# KiCad board merisi_ob.kicad_pcb (continued)
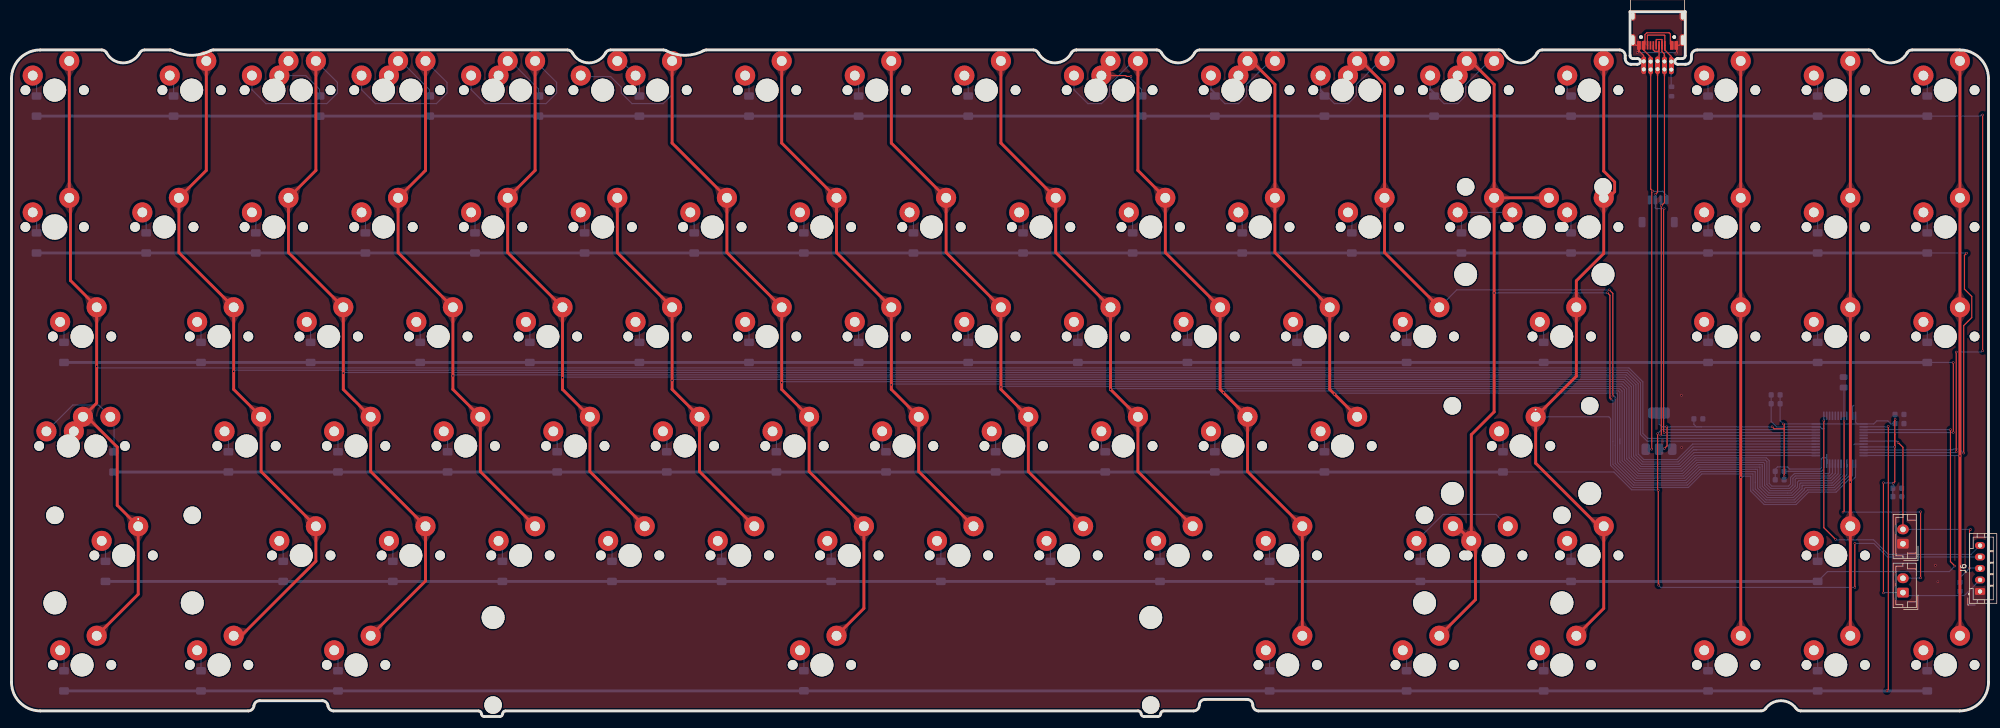
[diagram p0: board, top side]
## Footprints (pads in the part's own frame, mm; a bottom-side part is the same pattern mirrored in y, then rotated) (continued)
  rrect 1.025x1.4 smd: 1(-0.912,0) 2(0.912,0)
SOT-223-3_TabPin2
  rrect 2x1.5 smd: 1(-3.15,2.3) 2(-3.15,0) 3(-3.15,-2.3)
  rrect 2x3.8 smd: 2(3.15,0)
USB_C_Receptacle_HRO_TYPE-C-31-M-12
  round 0.65 hole 0.65 unplated: (-2.89,2.6) (2.89,2.6)
  rect 0.3x1.45 smd: (-1.75,4.045) A5(-1.25,4.045) A6(-0.25,4.045) A7(0.25,4.045) A8(1.25,4.045) B5(1.75,4.045) B6(0.75,4.045) B7(-0.75,4.045)
  rect 0.6x1.45 smd: A1(-3.25,4.045) A4(-2.45,4.045) A9(2.45,4.045) A12(3.25,4.045) B1(3.25,4.045) B4(2.45,4.045) B9(-2.45,4.045) B12(-3.25,4.045)
  oval 1x2.1 hole 0.6x1.7: S1(-4.32,3.13) S1(4.32,3.13)
  oval 1x1.6 hole 0.6x1.2: S1(-4.32,-1.05) S1(4.32,-1.05)

## Nets
+3.3V: C2.2 C3.2 C4.2 C5.2 C6.2 C7.2 C8.2 C9.2 C10.2 J6.2 SWbôt1.1 U2.2 U3.1 U3.9 U3.24 U3.36 U3.48
+5V: J3.A4 J3.A9 J3.B4 J3.B9 J5.1 REF**#5.2 U2.3
GND: C1.2 C2.1 C3.1 C4.1 C5.1 C6.1 C7.1 C8.1 C9.1 C10.1 J3.A1 J3.A12 J3.B1 J3.B12 J3.S1 J5.4 J6.1 R1.2 R8.2 REF**#2.2 SWbôtrst1.1 U2.1 U3.8 U3.23 U3.35 U3.47
boot: R1.1 SWbôt1.2 U3.44
C0: SW1.2 SW19.2 SW24.2 SW49.1 SW65.2 SW77.2 SW1002.2 U3.31
C1: SW2.2 SW20.2 SW37.2 SW54.2 SW66.2 SW78.2 U3.30
C2: SW3.2 SW21.2 SW38.2 SW55.2 SW68.2 SW81.2 SW2001.1 U3.29
C3: SW4.2 SW22.2 SW39.2 SW56.2 SW69.2 SW2002.1 U3.28
C4: SW5.2 SW23.2 SW40.2 SW57.2 SW70.2 SW2003.1 U3.27
C5: SW6.2 SW41.2 SW58.2 SW71.2 U3.26
C6: SW7.2 SW25.2 SW42.2 SW59.2 SW72.2 SW86.2 SW2004.1 U3.25
C7: SW8.2 SW26.2 SW43.2 SW60.2 SW73.2 U3.22
C8: SW9.2 SW27.2 SW44.2 SW61.2 SW74.2 U3.21
C9: SW10.2 SW28.2 SW45.2 SW62.2 SW75.2 U3.20
C10: SW11.2 SW29.2 SW46.2 SW63.2 SW76.2 SW90.2 SW2008.1 U3.19
C11: SW12.2 SW30.2 SW47.2 SW64.2 SW2009.1 U3.18
C12: SW13.2 SW31.2 SW48.2 SW2010.1 U3.17
C13: SW14.2 SW32.2 SW79.2 SW93.2 SW1000.1 SW1001.2 SW2011.1 U3.16
C14: SW15.2 SW33.2 SW50.2 SW67.2 SW80.2 SW94.2 U3.15
C15: SW16.2 SW34.2 SW51.2 SW95.2 U3.14
C16: SW17.2 SW35.2 SW52.2 SW82.2 SW96.2 U3.13
C17: SW18.2 SW36.2 SW53.2 SW97.2 U3.12
CLK: J6.5 U3.37
D+: J3.A6 J3.B6 J5.3 REF**#3.2 REF**#3.B6 U3.33
D-: J3.A7 J3.B7 J5.2 REF**.2 U3.32
DIO: D49.1 D54.1 D55.1 D56.1 D57.1 D58.1 D59.1 D60.1 D61.1 D62.1 D63.1 D64.1 D67.1 J6.4 U3.34
R0: D19.1 D20.1 D21.1 D22.1 D23.1 D25.1 D26.1 D27.1 D28.1 D29.1 D30.1 D31.1 D32.1 D33.1 D34.1 D35.1 D36.1 U3.11
R1: D1.1 D2.1 D3.1 D4.1 D5.1 D6.1 D7.1 D8.1 D9.1 D10.1 D11.1 D12.1 D13.1 D14.1 D15.1 D16.1 D17.1 D18.1 U3.10
R2: D24.1 D37.1 D38.1 D39.1 D40.1 D41.1 D42.1 D43.1 D44.1 D45.1 D46.1 D47.1 D48.1 D50.1 D51.1 D52.1 D53.1 U3.4
R4: D65.1 D66.1 D68.1 D69.1 D70.1 D71.1 D72.1 D73.1 D74.1 D75.1 D76.1 D79.1 D80.1 D82.1 U3.3
R5: D77.1 D78.1 D81.1 D86.1 D90.1 D93.1 D94.1 D95.1 D96.1 D97.1 U3.2
RST: C1.1 J6.3 SWbôtrst1.2 U3.7
Net-(D1-A): D1.2 SW1.1
Net-(D2-A): D2.2 SW2.1
Net-(D3-A): D3.2 SW3.1
Net-(D4-A): D4.2 SW4.1
Net-(D5-A): D5.2 SW5.1
Net-(D6-A): D6.2 SW6.1
Net-(D7-A): D7.2 SW7.1
Net-(D8-A): D8.2 SW8.1
Net-(D9-A): D9.2 SW9.1
Net-(D10-A): D10.2 SW10.1
Net-(D11-A): D11.2 SW11.1
Net-(D12-A): D12.2 SW12.1
Net-(D13-A): D13.2 SW13.1
Net-(D14-A): D14.2 SW14.1 SW1001.1
Net-(D15-A): D15.2 SW15.1
Net-(D16-A): D16.2 SW16.1
Net-(D17-A): D17.2 SW17.1
Net-(D18-A): D18.2 SW18.1
Net-(D19-A): D19.2 SW19.1
Net-(D20-A): D20.2 SW20.1
Net-(D21-A): D21.2 SW21.1 SW2001.2
Net-(D22-A): D22.2 SW22.1 SW2002.2
Net-(D23-A): D23.2 SW23.1 SW2003.2
Net-(D24-A): D24.2 SW24.1
Net-(D25-A): D25.2 SW25.1 SW2004.2
Net-(D26-A): D26.2 SW26.1
Net-(D27-A): D27.2 SW27.1
Net-(D28-A): D28.2 SW28.1
Net-(D29-A): D29.2 SW29.1 SW2008.2
Net-(D30-A): D30.2 SW30.1 SW2009.2
Net-(D31-A): D31.2 SW31.1 SW2010.2
Net-(D32-A): D32.2 SW32.1 SW2011.2
Net-(D33-A): D33.2 SW33.1
Net-(D34-A): D34.2 SW34.1
Net-(D35-A): D35.2 SW35.1
Net-(D36-A): D36.2 SW36.1
Net-(D37-A): D37.2 SW37.1
Net-(D38-A): D38.2 SW38.1
Net-(D39-A): D39.2 SW39.1
Net-(D40-A): D40.2 SW40.1
Net-(D41-A): D41.2 SW41.1
Net-(D42-A): D42.2 SW42.1
Net-(D43-A): D43.2 SW43.1
Net-(D44-A): D44.2 SW44.1
Net-(D45-A): D45.2 SW45.1
Net-(D46-A): D46.2 SW46.1
Net-(D47-A): D47.2 SW47.1
Net-(D48-A): D48.2 SW48.1
Net-(D49-A): D49.2 SW49.2 SW1002.1
Net-(D50-A): D50.2 SW50.1
Net-(D51-A): D51.2 SW51.1
Net-(D52-A): D52.2 SW52.1
Net-(D53-A): D53.2 SW53.1
Net-(D54-A): D54.2 SW54.1
Net-(D55-A): D55.2 SW55.1
Net-(D56-A): D56.2 SW56.1
Net-(D57-A): D57.2 SW57.1
Net-(D58-A): D58.2 SW58.1
Net-(D59-A): D59.2 SW59.1
Net-(D60-A): D60.2 SW60.1
Net-(D61-A): D61.2 SW61.1
Net-(D62-A): D62.2 SW62.1
Net-(D63-A): D63.2 SW63.1
Net-(D64-A): D64.2 SW64.1
Net-(D65-A): D65.2 SW65.1
Net-(D66-A): D66.2 SW66.1
Net-(D67-A): D67.2 SW67.1
Net-(D68-A): D68.2 SW68.1
Net-(D69-A): D69.2 SW69.1
Net-(D70-A): D70.2 SW70.1
Net-(D71-A): D71.2 SW71.1
Net-(D72-A): D72.2 SW72.1
Net-(D73-A): D73.2 SW73.1
Net-(D74-A): D74.2 SW74.1
Net-(D75-A): D75.2 SW75.1
Net-(D76-A): D76.2 SW76.1
Net-(D77-A): D77.2 SW77.1
Net-(D78-A): D78.2 SW78.1
Net-(D79-A): D79.2 SW79.1 SW1000.2
Net-(D80-A): D80.2 SW80.1
Net-(D81-A): D81.2 SW81.1
Net-(D82-A): D82.2 SW82.1
Net-(D86-A): D86.2 SW86.1
Net-(D90-A): D90.2 SW90.1
Net-(D93-A): D93.2 SW93.1
Net-(D94-A): D94.2 SW94.1
Net-(D95-A): D95.2 SW95.1
Net-(D96-A): D96.2 SW96.1
Net-(D97-A): D97.2 SW97.1
Net-(J3-CC1): J3.A5 J3.B5 R8.1 REF**#4.2

Pads without a net: J3 A8; J5 MP; U3 5 6 38 39 40 41 42 43 45 46

## Via types
v1: diameter 0.4, hole 0.3, Top to Bottom, 70 vias

## Routing (per net, layer and track width the routed paths; a pad name or vN(x,y) marks a point on that pad's centre or on a via; arc(x,y) is an arc through that point)
+3.3V: length 138.8
  Top w0.2: v1(327.05,40.58) 327.32,40.85 327.32,49.15 ; v1(306.01,50.41) 306.36,50.06 308.09,50.06 ; v1(287.69,50.41) 287.74,50.36 287.74,47.09 v1(287.3,46.65) ; v1(327.32,46.91) 327.32,49.15 ; 327.32,49.15 327.32,51.66 v1(327.39,51.73) ; v1(307.96,50.91) 308.09,50.78 308.09,50.06 ; 308.09,50.06 v1(308.09,41.86) ; v1(325.35,21.5) v1(325.35,40.67)
  Bottom w0.2: v1(306.01,50.41) 293.72,50.41 ; 293.72,50.41 292.83,50.41 292.41,50.84 292.41,51.79 ; 293.72,50.41 v1(287.69,50.41) 286.85,50.41 286.34,50.92 U2.2 ; U2.2 287.16,46.51 v1(287.3,46.65) ; C2.2 327.39,52.54 v1(327.39,51.73) 327.37,51.71 C3.2 327.32,50.91 326.64,50.91 326.11,51.44 324.2,51.44 323.67,50.91 U3.1 320.97,50.91 ; v1(325.35,21.5) 325.41,21.56 SWbôt1.1 329.27,21.04 339.42,21.04 J6.2 ; C7.2 C6.2 307.39,51.48 v1(307.96,50.91) U3.36 320.97,50.91 ; 320.97,50.91 320.81,50.91 320.49,51.23 U3.48 ; U3.24 314.99,43.07 314.58,42.66 C5.2 v1(308.09,41.86) C4.2 ; v1(325.35,40.67) 326.96,40.67 v1(327.05,40.58) 327.05,39.79 C8.2 326.98,38.27 C9.2 ; U3.9 v1(327.32,46.91)
+5V: length 84.3
  Top w0.2: J3.A4 288.32,117.01 288.32,118.76 288.11,118.97 284.23,118.97 283.89,118.63 283.89,117.02 J3.A9 283.66,116 284.89,114.77 REF**#5.2 284.89,91.79 v1(285.26,91.42) 285.08,91.24 v1(285.08,46.51)
  Bottom w0.2: J5.1 287.7,90.67 286.99,91.38 285.3,91.38 v1(285.26,91.42) ; U2.3 v1(285.08,46.51)
GND: length 49.2
  Top w0.2: v1(289.43,115.44) 289.43,116.7 J3.A1 289.86,116.78 290.31,117.23 290.31,117.69 ; 283.71,114.28 283.66,114.32 283.66,115.02 282.86,115.83 J3.A12 ; J3.A12 282.86,115.81 v1(282.55,115.51) ; J3.A12 282.36,116.78 281.91,117.23 281.91,117.69
  Bottom w0.2: C7.1 C6.1 305.84,51.34 306.77,50.41 U3.35 314.35,50.41 314.72,50.04 315.09,50.04 ; v1(289.43,115.44) 289.36,115.51 v1(282.55,115.51) ; 320.2,47.28 320.33,47.41 U3.8 ; U3.47 319.99,53.97 320.21,54.19 ; 315.47,45.59 315.49,45.57 U3.23 315.49,44.77 315.23,45.04 314.76,45.04 314.54,44.82 314.54,43.23 314.37,43.06 309.05,43.06 308.68,43.44 306.95,43.44 306.54,43.03 C5.1 C4.1
  vias: v1(290.25,55.89) v1(290.28,46.8) v1(334.37,26.3) v1(334.81,23.44)
boot: length 49.9
  Top w0.2: v1(318.52,51.41) 318.52,35.75 v1(318.31,35.55) ; v1(331.8,35.61) v1(331.8,24.12)
  Bottom w0.2: v1(318.52,51.41) 318.49,51.43 U3.44 318.49,57.19 R1.1 ; v1(331.8,24.12) 331.67,24.12 331.61,24.06 SWbôt1.2 ; v1(318.31,35.55) 331.74,35.55 v1(331.8,35.61)
C0: length 422.8
  Top w0.5: SW19.2 SW1.2 10.24,90.05 10.24,75.86 14.8,71.3 SW24.2 v1(14.8,60.92) 14.8,54.54 SW1002.2 ; SW1002.2 12.42,51.2 SW49.1 ; SW1002.2 13.1,52.15 18.37,46.88 18.37,36.75 SW65.2 22.02,21.27 SW77.2
  Bottom w0.2: U3.31 284.36,48.41 283.53,49.24 283.53,58.23 281.11,60.65 15.07,60.65 v1(14.8,60.92)
C1: length 404
  Top w0.5: SW20.2 33.85,95.02 SW2.2 29.09,80.73 SW37.2 v1(38.62,60.06) 38.62,56.92 SW54.2 43.38,42.63 SW66.2 52.9,27.03 39.93,14.05 SW78.2
  Bottom w0.2: U3.30 284.3,47.91 283.13,49.08 283.13,58.07 280.95,60.25 38.81,60.25 v1(38.62,60.06)
C2: length 412.5
  Top w0.5: SW21.2 52.9,95.02 SW3.2 48.14,80.73 SW38.2 57.67,56.92 SW55.2 62.43,42.63 SW68.2 71.95,23.58 SW81.2
  Bottom w0.2: SW21.2 56.64,110.33 56.64,108.49 54.79,106.64 44.21,106.64 41.79,109.05 SW2001.1 ; U3.29 292.2,47.41 289.49,44.7 283.7,44.7 282.73,45.67 282.73,57.9 280.78,59.85 57.77,59.85 v1(57.67,59.75)
C3: length 370.5
  Top w0.5: SW22.2 71.95,95.02 SW4.2 67.19,80.73 SW39.2 v1(76.72,59.27) 76.72,56.92 SW56.2 81.48,42.63 SW69.2
  Bottom w0.2: v1(76.72,59.27) 76.9,59.45 280.61,59.45 282.33,57.73 282.33,45.51 283.54,44.3 289.66,44.3 292.27,46.91 U3.28 ; SW2002.1 60.84,109.05 63.26,106.64 73.84,106.64 75.69,108.49 75.69,110.33 SW22.2
C4: length 351.8
  Top w0.5: SW23.2 91,95.02 SW5.2 86.24,80.73 SW40.2 v1(95.77,58.94) 95.77,56.92 SW57.2 100.53,42.63 SW70.2
  Bottom w0.2: U3.27 292.9,46.41 ; 292.9,46.41 292.34,46.41 289.83,43.9 283.37,43.9 281.93,45.34 281.93,57.57 280.45,59.05 95.88,59.05 v1(95.77,58.94) ; 292.9,46.41 292.46,46.41 ; SW23.2 94.74,110.33 94.74,108.49 92.89,106.64 82.31,106.64 79.89,109.05 SW2003.1
C5: length 280.3
  Top w0.5: SW6.2 105.29,80.73 SW41.2 v1(114.82,58.47) 114.82,56.92 SW58.2 119.58,42.63 SW71.2
  Bottom w0.2: v1(114.82,58.47) 115,58.65 280.28,58.65 281.53,57.4 281.53,45.17 283.21,43.5 289.99,43.5 292.4,45.91 U3.26
C6: length 335
  Top w0.5: SW86.2 148.15,18.82 SW72.2 138.63,42.63 SW59.2 133.87,56.92 v1(133.87,58.09) SW42.2 124.34,80.73 SW7.2 114.82,99.78 SW25.2
  Bottom w0.2: U3.25 292.47,45.41 290.16,43.1 283.04,43.1 281.13,45.01 281.13,57.24 280.12,58.25 134.03,58.25 v1(133.87,58.09) ; SW2004.1 99.13,111.34 104.14,111.34 106,109.48 106,108.49 107.85,106.64 113.25,106.64 114.82,108.2 SW25.2
C7: length 279.8
  Top w0.5: SW26.2 133.87,99.78 SW8.2 143.39,80.73 SW43.2 v1(152.92,57.7) 152.92,56.92 SW60.2 157.68,42.63 SW73.2
  Bottom w0.2: U3.22 315.99,42.44 315.81,42.26 309.87,42.26 309.21,41.6 309.21,40.45 308.85,40.09 305.95,40.09 305.49,40.55 305.49,44.52 305,45.01 292.63,45.01 290.32,42.7 282.88,42.7 280.73,44.84 280.73,57.01 279.89,57.85 153.07,57.85 v1(152.92,57.7)
C8: length 261.5
  Top w0.5: SW27.2 152.92,99.78 SW9.2 162.44,80.73 SW44.2 v1(171.97,57.34) 171.97,56.92 SW61.2 176.73,42.63 SW74.2
  Bottom w0.2: v1(171.97,57.34) 172.08,57.45 279.73,57.45 280.33,56.85 280.33,44.68 282.75,42.26 290.45,42.26 292.8,44.61 304.84,44.61 305.09,44.36 305.09,40.39 305.79,39.69 309.02,39.69 309.61,40.29 309.61,41.44 310.04,41.86 315.98,41.86 316.49,42.38 U3.21
C9: length 243.1
  Top w0.5: SW75.2 195.78,42.63 SW62.2 v1(191.02,56.92) SW45.2 181.49,80.73 SW10.2 171.97,99.78 SW28.2
  Bottom w0.2: U3.20 316.99,42.31 316.15,41.46 310.21,41.46 310.01,41.27 310.01,40.12 309.19,39.29 305.62,39.29 304.69,40.22 304.69,44.04 304.52,44.21 292.96,44.21 290.61,41.86 282.58,41.86 279.93,44.51 279.93,56.61 279.49,57.05 191.15,57.05 v1(191.02,56.92)
C10: length 260.7
  Top w0.5: SW90.2 SW76.2 214.83,42.63 SW63.2 v1(210.65,56.33) 210.07,56.92 SW46.2 200.54,80.73 SW11.2 195.78,95.02 SW29.2
  Bottom w0.2: SW29.2 194.96,114.07 190.83,109.93 190.83,108.01 189.45,106.64 187.08,106.64 184.67,109.05 SW2008.1 ; 279.53,47.47 279.53,56.45 279.33,56.65 210.98,56.65 v1(210.65,56.33) ; 279.53,47.47 279.53,48.37 ; 279.53,47.47 279.53,44.35 282.42,41.46 290.78,41.46 293.13,43.81 304.29,43.81 304.29,40.05 305.46,38.89 309.35,38.89 310.41,39.95 310.41,40.79 310.65,41.03 316.28,41.03 317.49,42.24 U3.19
C11: length 180.5
  Top w0.5: SW30.2 215.51,114.07 219.59,109.98 SW12.2 219.59,80.73 SW47.2 229.12,56.92 v1(229.94,56.09) SW64.2
  Bottom w0.2: v1(229.94,56.09) 230.1,56.25 279.12,56.25 279.13,56.24 279.13,44.18 282.25,41.06 290.95,41.06 293.3,43.41 303.89,43.41 303.89,39.89 305.29,38.49 309.52,38.49 310.81,39.79 310.81,40.45 310.99,40.63 316.45,40.63 317.99,42.18 U3.18
C12: length 160.7
  Top w0.2: v1(278.31,55.75) 278.31,73.62 v1(277.69,74.24)
  Top w0.5: SW48.2 238.64,80.73 SW13.2 238.64,109.98 234.56,114.07 SW31.2
  Bottom w0.2: U3.17 318.49,42.11 316.61,40.23 311.21,40.23 311.21,39.62 309.68,38.09 305.13,38.09 303.47,39.74 303.47,43.01 293.46,43.01 291.11,40.66 282.09,40.66 278.73,44.01 278.73,55.56 278.54,55.75 v1(278.31,55.75) ; v1(277.69,74.24) 251.2,74.24 SW48.2
C13: length 221.5
  Top w0.2: v1(277.39,73.73) 277.81,73.3 277.81,55.43 v1(278.01,55.24)
  Top w0.5: SW93.2 254.44,20.33 254.44,29.85 SW1000.1 ; SW14.2 SW1001.2 ; SW14.2 v1(257.69,73.7) 257.69,53.01 253.72,49.04 SW1000.1 ; SW14.2 257.69,109.98 253.61,114.07 SW32.2 ; SW79.2 251.18,33.1 SW1000.1
  Bottom w0.2: U3.16 318.99,42.05 316.78,39.83 311.78,39.83 311.61,39.66 311.61,39.46 309.85,37.69 304.96,37.69 303.07,39.58 303.07,42.61 293.63,42.61 291.28,40.26 281.92,40.26 278.33,43.85 278.33,54.91 v1(278.01,55.24) ; v1(257.69,73.7) 257.72,73.73 v1(277.39,73.73)
C14: length 186.6
  Top w0.5: 277.45,90.14 278.64,91.32 278.64,93 276.74,94.9 SW33.2 ; SW94.2 276.74,18.82 SW80.2 275.87,33.1 264.91,44.07 SW67.2 271.98,59.22 SW50.2 271.98,75.81 276.74,80.57 276.74,90.14
  Bottom w0.2: SW67.2 277.62,52.15 277.91,51.86 277.91,51.74 277.93,51.72 277.93,43.68 281.76,39.86 291.44,39.86 293.79,42.21 302.67,42.21 302.67,39.41 304.79,37.29 310.01,37.29 312.15,39.43 316.94,39.43 319.49,41.98 U3.15
C15: length 127.2
  Top w0.5: SW95.2 v1(300.55,41.62) SW51.2 SW16.2 SW34.2
  Bottom w0.2: U3.14 319.99,41.92 317.11,39.03 312.32,39.03 310.18,36.89 304.63,36.89 302.27,39.25 302.27,41.81 300.93,41.81 300.74,41.62 v1(300.55,41.62)
C16: length 103.6
  Top w0.5: SW35.2 SW17.2 SW52.2 v1(319.6,40.78) SW82.2 SW96.2
  Bottom w0.2: U3.13 320.49,41.67 v1(319.6,40.78)
C17: length 116.8
  Top w0.5: SW36.2 SW18.2 SW53.2 v1(338.65,45.33) SW97.2
  Bottom w0.2: v1(338.65,45.33) 338.57,45.41 U3.12
CLK: length 49.2
  Top w0.2: v1(314.99,51.45) 314.99,32.85 v1(317.01,30.83)
  Bottom w0.2: J6.5 340.58,28.2 326.18,28.2 323.63,30.75 317.09,30.75 v1(317.01,30.83) ; U3.37 v1(314.99,51.45)
D+: length 98.5
  Top w0.2: J3.B6 285.36,115.98 285.58,115.75 286.31,115.75 286.31,116.77 286.31,116.78 J3.A6 286.36,112.88 REF**#3.2 286.09,91.22 v1(285.75,90.88) ; v1(287.24,88.36) 287.14,88.26 287.14,49.46 287.19,49.41 v1(287.24,49.41)
  Bottom w0.2: v1(285.75,90.88) 285.75,89.95 J5.3 285.7,88.51 285.84,88.36 v1(287.24,88.36) ; U3.33 v1(287.24,49.41)
D-: length 99.3
  Top w0.2: v1(286.64,48.96) 286.74,49.06 v1(286.74,88.86) 287.29,89.41 REF**.2 287.27,112.61 287.27,115.28 286.86,115.7 J3.B7 286.86,117.75 286.81,117.8 285.92,117.8 285.86,117.74 J3.A7
  Bottom w0.2: U3.32 286.69,48.91 v1(286.64,48.96) ; J5.2 286.7,88.91 v1(286.74,88.86)
DIO: length 388.6
  Top w0.2: v1(286.28,22.85) 286.28,23.13 286.21,23.2 v1(286.21,39.36) 286.1,39.47 v1(286.1,49.22) ; v1(320.38,30.11) v1(320.38,22.47)
  Bottom w0.2: v1(286.28,22.85) 286.67,22.47 v1(320.38,22.47) ; U3.34 286.8,49.91 v1(286.1,49.22) ; v1(286.21,39.36) 286.12,39.45 281.6,39.45 278.5,42.55 D67.1 ; J6.4 326.06,27.76 323.71,30.11 v1(320.38,30.11)
  Bottom w0.5: D49.1 259.21,42.53 D67.1
R0: length 417.6
  Top w0.2: v1(338,46.06) v1(338,63.43) ; v1(342.59,63.63) v1(342.59,104.67)
  Bottom w0.2: v1(338,63.43) 342.39,63.43 v1(342.59,63.63) ; D36.1 342.15,104.47 342.35,104.67 v1(342.59,104.67) ; U3.11 337.85,45.91 v1(338,46.06)
  Bottom w0.5: D36.1 D19.1
R1: length 389.3
  Top w0.2: v1(339.81,80.62) 339.43,80.24 339.43,74.36 340.7,73.09 340.7,69.42 339.3,68.02 v1(339.3,45.83)
  Bottom w0.2: D18.1 339.54,80.65 339.57,80.62 v1(339.81,80.62) ; U3.10 337.39,46.41 337.54,46.56 338.57,46.56 v1(339.3,45.83)
  Bottom w0.5: D1.1 D18.1
R2: length 356.1
  Top w0.2: v1(337.5,49.43) v1(337.5,61.58)
  Bottom w0.2: D53.1 337.48,61.6 v1(337.5,61.58) ; U3.4 337.48,49.41 v1(337.5,49.43)
  Bottom w0.5: D53.1 D24.1
R4: length 361.7
  Top w0.2: v1(337.77,26.18) 337,26.95 v1(337,49.91)
  Bottom w0.2: D82.1 315.63,25.21 336.8,25.21 v1(337.77,26.18) ; U3.3 321.93,49.93 336.98,49.93 v1(337,49.91)
  Bottom w0.5: D82.1 D65.1
R5: length 374.3
  Top w0.2: v1(326.2,50.48) 326.2,4.7 v1(325.95,4.45)
  Bottom w0.2: v1(326.2,50.48) 326.13,50.41 U3.2
  Bottom w0.5: D77.1 v1(325.95,4.45) D97.1
RST: length 45.1
  Top w0.2: v1(327.89,47.69) 328.74,46.84 SWbôtrst1.2 ; v1(340.31,25.81) 340.31,32.35 v1(340.49,32.53)
  Bottom w0.2: v1(340.49,32.53) 340.46,32.56 SWbôtrst1.2 ; C1.1 338.64,24.14 v1(340.31,25.81) 342.09,25.81 J6.3 ; v1(327.89,47.69) 327.67,47.91 U3.7
Net-(D1-A): length 3.8
  Bottom w0.2: SW1.1 4.36,87.05 D1.2
Net-(D2-A): length 3.8
  Bottom w0.2: SW2.1 23.41,87.05 D2.2
Net-(D3-A): length 3.8
  Bottom w0.2: D3.2 42.46,87.05 SW3.1
Net-(D4-A): length 3.8
  Bottom w0.2: SW4.1 61.51,87.05 D4.2
Net-(D5-A): length 3.8
  Bottom w0.2: SW5.1 80.56,87.05 D5.2
Net-(D6-A): length 3.8
  Bottom w0.2: D6.2 99.61,87.05 SW6.1
Net-(D7-A): length 3.8
  Bottom w0.2: D7.2 118.66,87.05 SW7.1
Net-(D8-A): length 3.8
  Bottom w0.2: SW8.1 137.71,87.05 D8.2
Net-(D9-A): length 3.8
  Bottom w0.2: SW9.1 156.76,87.05 D9.2
Net-(D10-A): length 3.8
  Bottom w0.2: SW10.1 175.81,87.05 D10.2
Net-(D11-A): length 3.8
  Bottom w0.2: SW11.1 194.86,87.05 D11.2
Net-(D12-A): length 3.8
  Bottom w0.2: SW12.1 213.91,87.05 D12.2
Net-(D13-A): length 3.8
  Bottom w0.2: D13.2 232.96,87.05 SW13.1
Net-(D14-A): length 13.4
  Bottom w0.2: D14.2 252.01,87.05 SW14.1 SW1001.1
Net-(D15-A): length 3.8
  Bottom w0.2: D15.2 271.06,87.05 SW15.1
Net-(D16-A): length 3.8
  Bottom w0.2: SW16.1 294.87,87.05 D16.2
Net-(D17-A): length 3.8
  Bottom w0.2: SW17.1 313.92,87.05 D17.2
Net-(D18-A): length 3.8
  Bottom w0.2: D18.2 332.97,87.05 SW18.1
Net-(D19-A): length 3.8
  Bottom w0.2: D19.2 4.36,110.86 SW19.1
Net-(D20-A): length 3.8
  Bottom w0.2: D20.2 28.17,110.86 SW20.1
Net-(D21-A): length 12.3
  Bottom w0.2: SW2001.2 48.14,113.11 SW21.1 51.15,111.53 53.55,109.13 D21.2
Net-(D22-A): length 11.8
  Bottom w0.2: SW22.1 65.6,112.48 SW2002.2 67.66,114.07 72.61,109.12 D22.2
Net-(D23-A): length 11.8
  Bottom w0.2: SW23.1 84.65,112.48 SW2003.2 86.71,114.07 91.58,109.2 D23.2
Net-(D24-A): length 3.8
  Bottom w0.2: SW24.1 9.12,68 D24.2
Net-(D25-A): length 8.1
  Bottom w0.2: D25.2 109.13,110.86 SW25.1 105.93,114.07 SW2004.2
Net-(D26-A): length 3.8
  Bottom w0.2: SW26.1 128.18,110.86 D26.2
Net-(D27-A): length 3.8
  Bottom w0.2: D27.2 147.23,110.86 SW27.1
Net-(D28-A): length 3.8
  Bottom w0.2: D28.2 166.28,110.86 SW28.1
Net-(D29-A): length 9.4
  Top w0.2: v1(194.57,111.37) 193.79,111.37 193.64,111.53 SW29.1
  Bottom w0.2: D29.2 196.43,109.12 194.57,110.97 v1(194.57,111.37)
Net-(D30-A): length 20.3
  Bottom w0.2: D30.2 209.15,108.56 208.48,109.23 ; SW30.1 208.48,109.23 ; 208.48,109.23 208.48,109.05 210.89,106.64 213.26,106.64 214.64,108.01 214.64,109.96 218.74,114.07 SW2009.2
Net-(D31-A): length 23.8
  Bottom w0.2: SW2010.2 237.86,114.07 233.75,109.96 233.75,108.08 232.31,106.64 229.94,106.64 227.65,108.93 ; 227.65,108.93 227.53,109.05 SW31.1 227.53,108.77 228.2,108.1 D31.2 228.2,108.38 227.65,108.93
Net-(D32-A): length 23.1
  Bottom w0.2: D32.2 247.25,108.62 246.72,109.14 246.51,109.14 246.51,109.13 246.51,109 246.58,109.07 SW32.1 246.58,109.05 248.99,106.64 251.36,106.64 252.74,108.01 252.74,109.96 256.84,114.07 SW2011.2
Net-(D33-A): length 3.8
  Bottom w0.2: SW33.1 270.39,108.63 D33.2
Net-(D34-A): length 3.8
  Bottom w0.2: SW34.1 294.87,110.86 D34.2
Net-(D35-A): length 3.8
  Bottom w0.2: D35.2 313.92,110.86 SW35.1
Net-(D36-A): length 3.8
  Bottom w0.2: D36.2 332.97,110.86 SW36.1
Net-(D37-A): length 3.8
  Bottom w0.2: D37.2 32.93,68 SW37.1
Net-(D38-A): length 3.8
  Bottom w0.2: D38.2 51.98,68 SW38.1
Net-(D39-A): length 3.8
  Bottom w0.2: D39.2 71.03,68 SW39.1
Net-(D40-A): length 3.8
  Bottom w0.2: D40.2 90.08,68 SW40.1
Net-(D41-A): length 3.8
  Bottom w0.2: SW41.1 109.13,68 D41.2
Net-(D42-A): length 3.8
  Bottom w0.2: D42.2 128.18,68 SW42.1
Net-(D43-A): length 3.8
  Bottom w0.2: D43.2 147.23,68 SW43.1
Net-(D44-A): length 3.8
  Bottom w0.2: D44.2 166.28,68 SW44.1
Net-(D45-A): length 3.8
  Bottom w0.2: SW45.1 185.33,68 D45.2
Net-(D46-A): length 3.8
  Bottom w0.2: SW46.1 204.38,68 D46.2
Net-(D47-A): length 3.8
  Bottom w0.2: D47.2 223.43,68 SW47.1
Net-(D48-A): length 3.8
  Bottom w0.2: SW48.1 242.48,68 D48.2
Net-(D49-A): length 20.3
  Bottom w0.2: D49.2 17.83,51.51 SW49.2 15.13,54.2 10.66,54.2 SW1002.1
Net-(D50-A): length 3.8
  Bottom w0.2: D50.2 266.3,68 SW50.1
Net-(D51-A): length 3.8
  Bottom w0.2: D51.2 294.87,68 SW51.1
Net-(D52-A): length 3.8
  Bottom w0.2: D52.2 313.92,68 SW52.1
Net-(D53-A): length 3.8
  Bottom w0.2: SW53.1 332.97,68 D53.2
Net-(D54-A): length 3.8
  Bottom w0.2: D54.2 37.7,48.95 SW54.1
Net-(D55-A): length 3.8
  Bottom w0.2: D55.2 56.75,48.95 SW55.1
Net-(D56-A): length 3.8
  Bottom w0.2: SW56.1 75.8,48.95 D56.2
Net-(D57-A): length 3.8
  Bottom w0.2: SW57.1 94.85,48.95 D57.2
Net-(D58-A): length 3.8
  Bottom w0.2: D58.2 113.9,48.95 SW58.1
Net-(D59-A): length 3.8
  Bottom w0.2: SW59.1 132.95,48.95 D59.2
Net-(D60-A): length 3.8
  Bottom w0.2: SW60.1 151.33,46.72 D60.2
Net-(D61-A): length 3.8
  Bottom w0.2: SW61.1 171.05,48.95 D61.2
Net-(D62-A): length 3.8
  Bottom w0.2: D62.2 189.43,46.72 SW62.1
Net-(D63-A): length 3.8
  Bottom w0.2: SW63.1 209.15,48.95 D63.2
Net-(D64-A): length 3.8
  Bottom w0.2: D64.2 228.2,48.95 SW64.1
Net-(D65-A): length 3.8
  Bottom w0.2: D65.2 16.34,29.9 SW65.1
Net-(D66-A): length 3.8
  Bottom w0.2: SW66.1 47.22,29.9 D66.2
Net-(D67-A): length 3.8
  Bottom w0.2: D67.2 259.23,48.95 SW67.1
Net-(D68-A): length 3.8
  Bottom w0.2: D68.2 66.27,29.9 SW68.1
Net-(D69-A): length 3.8
  Bottom w0.2: SW69.1 85.32,29.9 D69.2
Net-(D70-A): length 3.8
  Bottom w0.2: D70.2 104.37,29.9 SW70.1
Net-(D71-A): length 3.8
  Bottom w0.2: D71.2 123.42,29.9 SW71.1
Net-(D72-A): length 3.8
  Bottom w0.2: SW72.1 142.47,29.9 D72.2
Net-(D73-A): length 3.8
  Bottom w0.2: SW73.1 161.52,29.9 D73.2
Net-(D74-A): length 3.8
  Bottom w0.2: SW74.1 180.57,29.9 D74.2
Net-(D75-A): length 3.8
  Bottom w0.2: D75.2 199.62,29.9 SW75.1
Net-(D76-A): length 3.8
  Bottom w0.2: D76.2 218.67,29.9 SW76.1
Net-(D77-A): length 3.8
  Bottom w0.2: D77.2 9.12,10.85 SW77.1
Net-(D78-A): length 3.8
  Bottom w0.2: SW78.1 32.93,10.85 D78.2
Net-(D79-A): length 22.5
  Bottom w0.2: D79.2 244.86,29.9 SW79.1 248.79,35.15 258.02,35.15 SW1000.2
Net-(D80-A): length 3.8
  Bottom w0.2: SW80.1 271.06,29.9 D80.2
Net-(D81-A): length 3.8
  Bottom w0.2: SW81.1 56.75,10.85 D81.2
Net-(D82-A): length 3.8
  Bottom w0.2: SW82.1 313.92,29.9 D82.2
Net-(D86-A): length 3.8
  Bottom w0.2: SW86.1 137.72,10.84 D86.2
Net-(D90-A): length 3.8
  Bottom w0.2: SW90.1 218.67,10.85 D90.2
Net-(D93-A): length 3.8
  Bottom w0.2: D93.2 242.48,10.85 SW93.1
Net-(D94-A): length 3.8
  Bottom w0.2: D94.2 266.3,10.85 SW94.1
Net-(D95-A): length 3.8
  Bottom w0.2: SW95.1 294.87,10.85 D95.2
Net-(D96-A): length 3.8
  Bottom w0.2: SW96.1 313.92,10.85 D96.2
Net-(D97-A): length 3.8
  Bottom w0.2: D97.2 332.97,10.85 SW97.1
Net-(J3-CC1): length 15.6
  Top w0.2: J3.B5 284.32,116.81 284.32,118.5 284.4,118.57 287.25,118.57 287.36,118.47 J3.A5 287.36,115.98 288.48,114.85 REF**#4.2
  Bottom w0.2: 288.46,113.95 288.46,109.65 R8.1

## Copper pours and planes (outline as drawn; the poured copper is in the pictures)
GND on Top, Bottom: 386.69,154.35 -29.99,144.89 -14.65,-25.85 377.93,-21.76

Small or netless copper shapes (teardrops, artwork), in the pictures only: 178 on Top, 233 on Bottom
